# KiCad board pcb.kicad_pcb
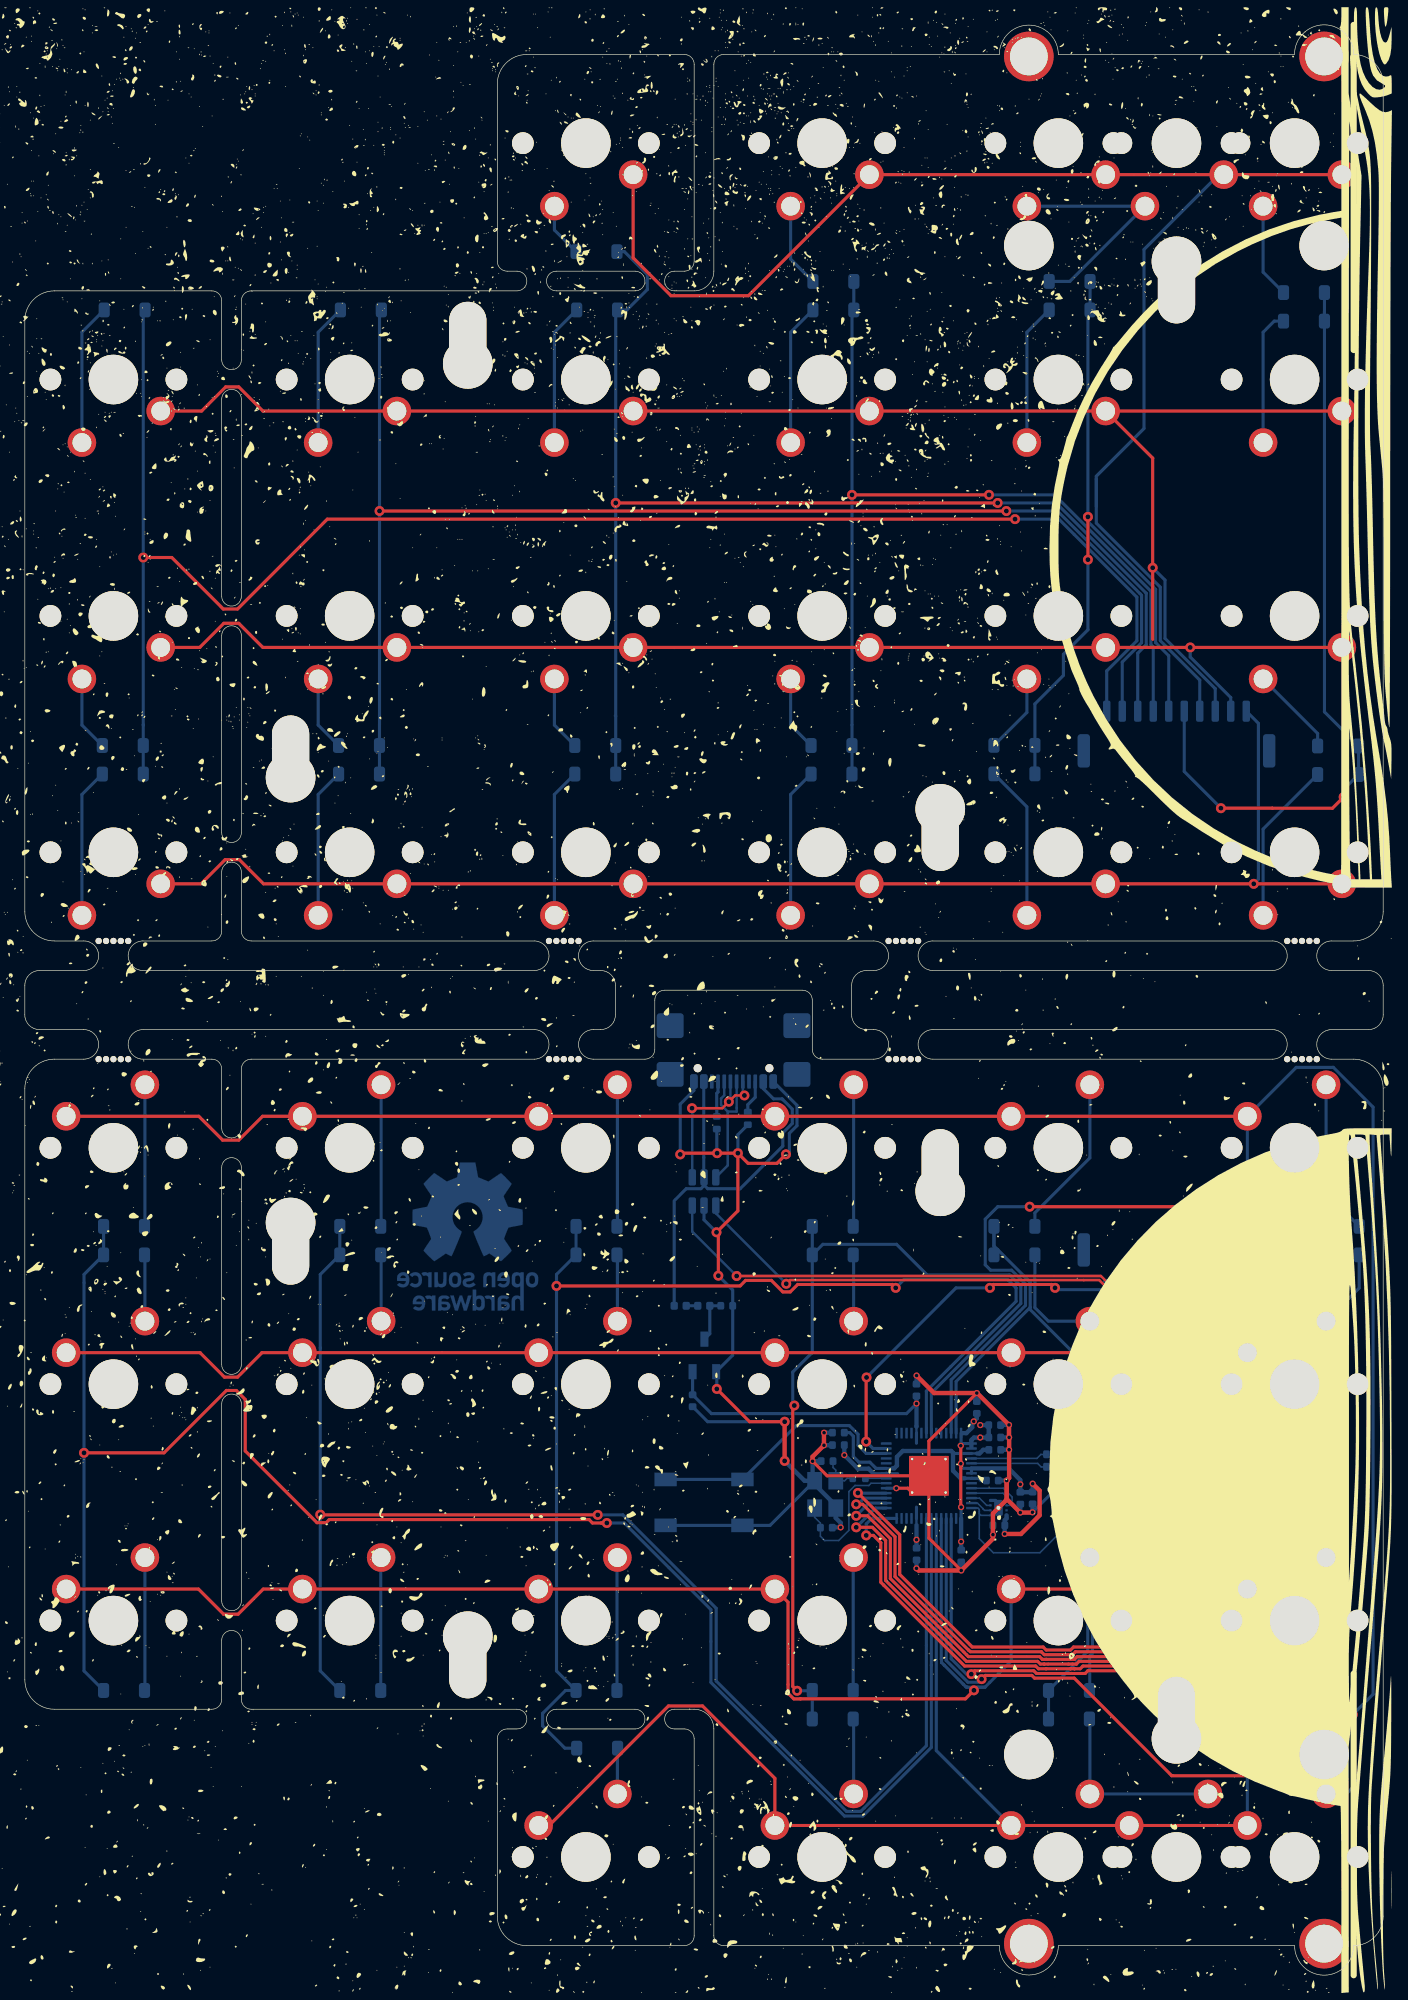
[diagram p0: board, top side]
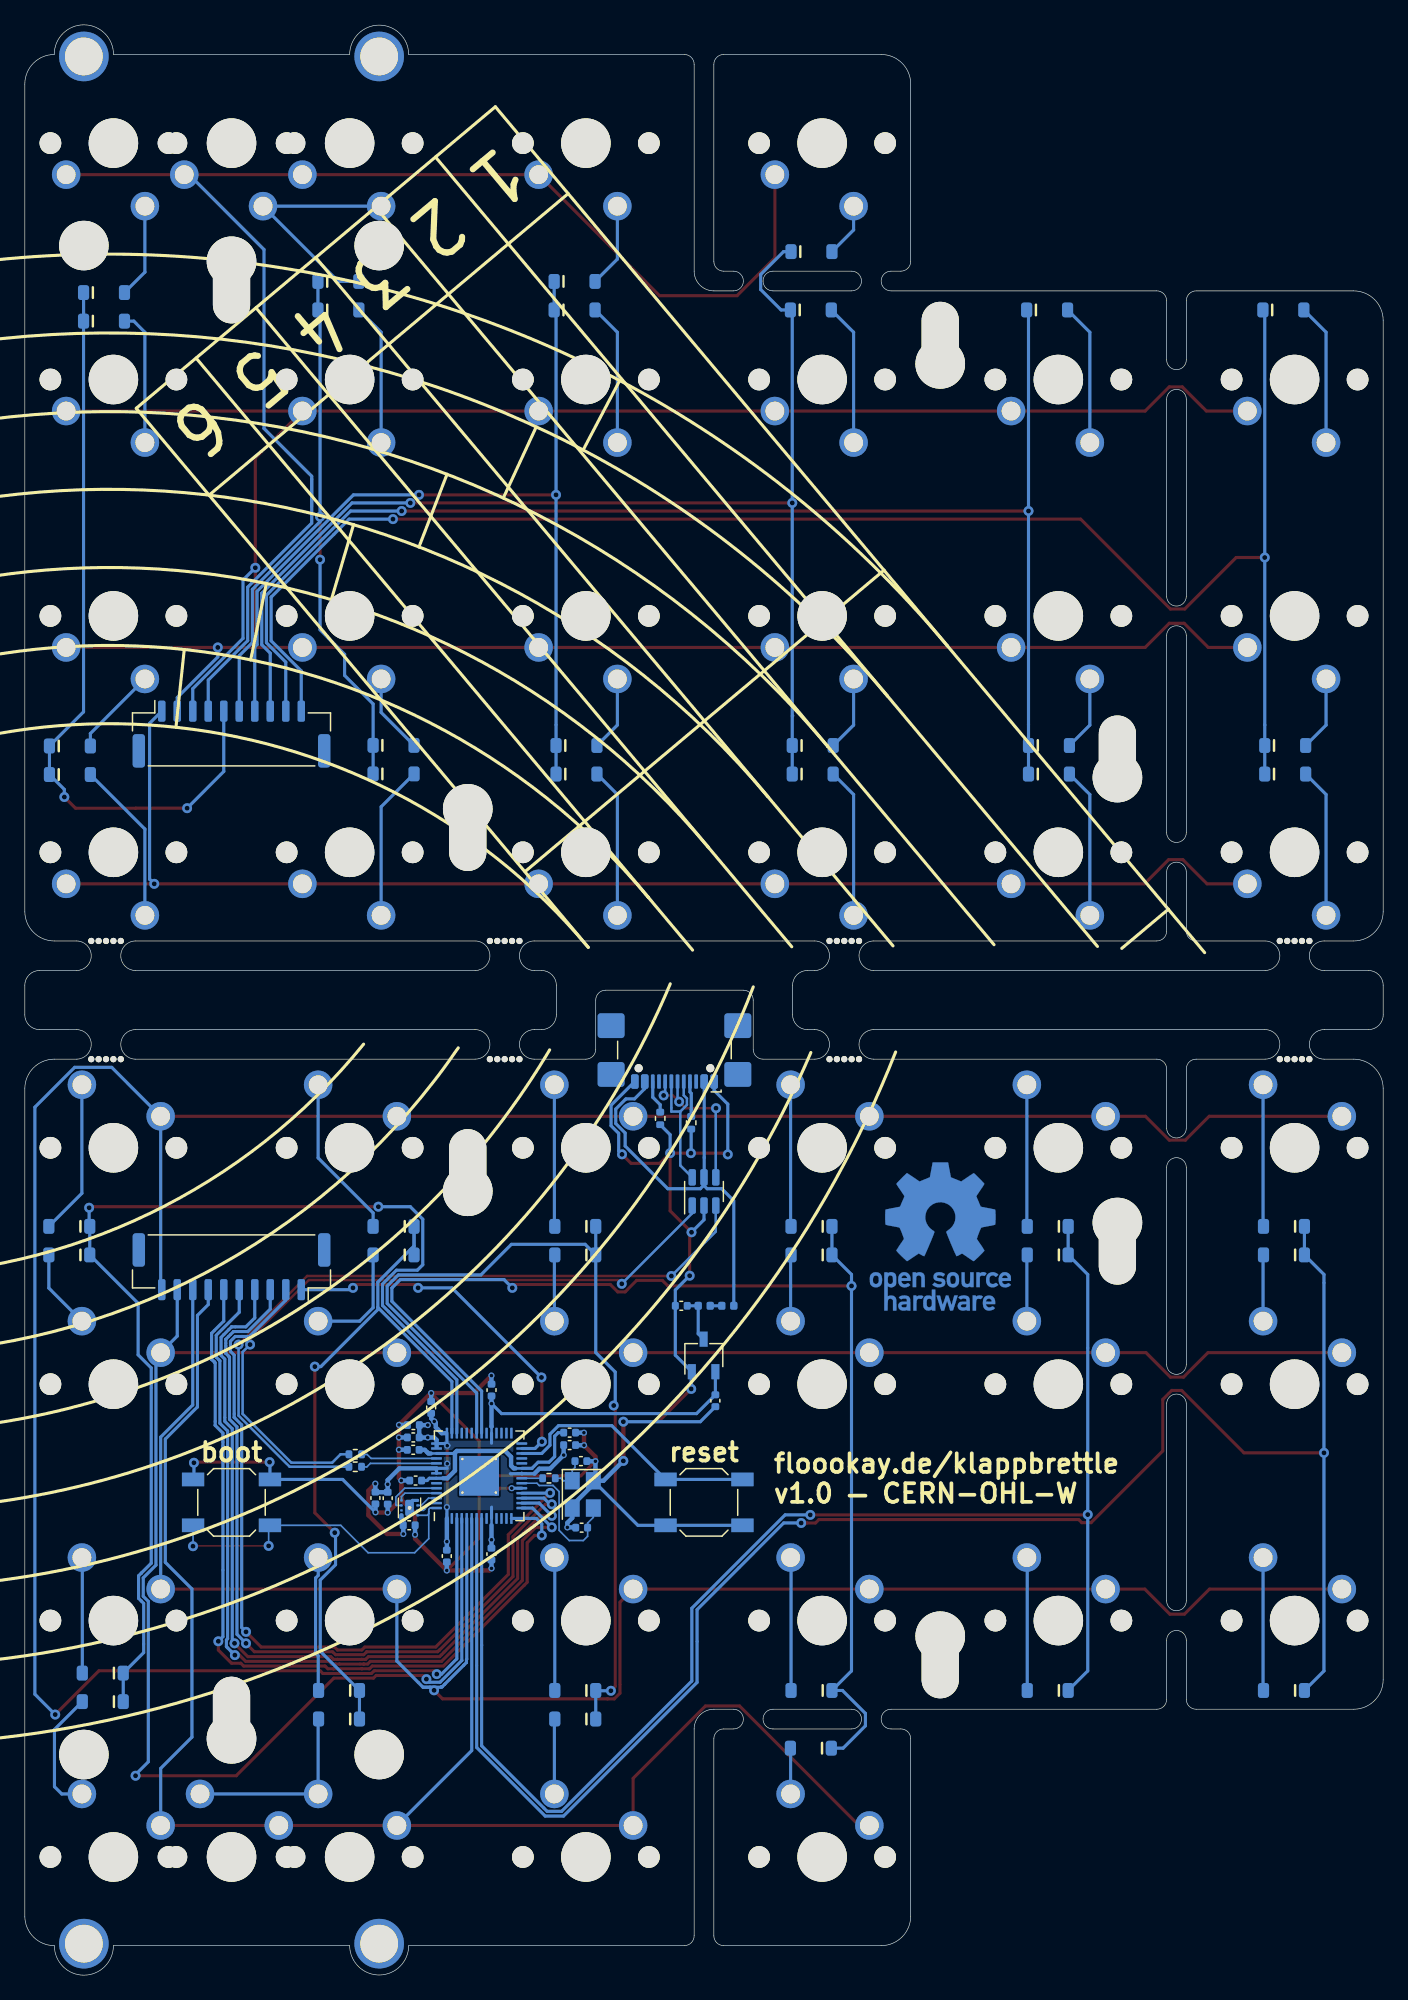
[diagram p1: board, bottom side, seen from below]

Outline 109.54 x 157.17 mm; copper layers: Top, In1.Cu, In2.Cu, Bottom. Coordinates in mm from the lower left corner of the outline.
Outline path: 4.76,83.34 2.38,83.34 arc(0.7,84.04) 0,85.73 0,133.35 arc(0.7,135.03) 2.38,135.73 15.08,135.73 arc(15.64,135.5) 15.88,134.94 15.88,130.18 arc(16.67,129.38) 17.46,130.18 17.46,134.94 arc(17.7,135.5) 18.26,135.73 39.69,135.73 arc(40.48,136.53) 39.69,137.32 38.9,137.32 arc(38.33,137.55) 38.1,138.11 38.1,152.4 arc(38.8,154.08) 40.48,154.78 53.18,154.78 arc(53.74,154.55) 53.98,153.99 53.98,138.11 arc(53.74,137.55) 53.18,137.32 52.39,137.32 arc(51.6,136.53) 52.39,135.73 53.98,135.73 arc(55.1,136.2) 55.56,137.32 55.56,153.99 arc(55.8,154.55) 56.36,154.78 78.58,154.78 arc(80.96,157.16) 83.35,154.78 102.4,154.78 ; 4.76,73.82 2.38,73.82 arc(0.7,73.12) 0,71.44 0,23.81 arc(0.7,22.13) 2.38,21.43 15.08,21.43 arc(15.64,21.66) 15.88,22.23 15.88,26.99 arc(16.67,27.78) 17.46,26.99 17.46,22.23 arc(17.7,21.66) 18.26,21.43 39.69,21.43 arc(40.48,20.64) 39.69,19.84 38.9,19.84 arc(38.33,19.61) 38.1,19.05 38.1,4.76 arc(38.8,3.08) 40.48,2.38 53.18,2.38 arc(53.74,2.61) 53.98,3.18 53.98,19.05 arc(53.74,19.61) 53.18,19.84 52.39,19.84 arc(51.6,20.64) 52.39,21.43 53.98,21.43 arc(55.1,20.97) 55.56,19.84 55.56,3.18 arc(55.8,2.61) 56.36,2.38 78.58,2.38 arc(80.96,0) 83.35,2.38 102.4,2.38 arc(104.78,0) 107.16,2.38 arc(108.84,3.08) 109.54,4.76 109.54,71.44 arc(108.84,73.12) 107.16,73.82 105.37,73.82 ; 4.77,76.2 1.19,76.2 arc(0.35,76.55) 0,77.39 0,79.77 arc(0.35,80.61) 1.19,80.96 4.77,80.96 ; 9.53,83.34 15.08,83.34 arc(15.64,83.58) 15.88,84.14 15.88,88.9 arc(16.67,89.69) 17.46,88.9 17.46,84.14 arc(17.7,83.58) 18.26,83.34 41.08,83.34 ; 9.53,73.82 15.08,73.82 arc(15.64,73.59) 15.88,73.03 15.88,68.26 arc(16.67,67.47) 17.46,68.26 17.46,73.03 arc(17.7,73.59) 18.26,73.82 41.08,73.82 ; 41.08,80.96 9.53,80.96 ; 41.08,76.2 9.53,76.2 ; 45.84,80.96 46.44,80.96 arc(47.28,80.61) 47.63,79.77 47.63,77.39 arc(47.28,76.55) 46.44,76.2 45.84,76.2 ; 45.84,83.34 48.42,83.34 68.46,83.34 ; 45.84,73.82 50.01,73.82 arc(50.57,74.05) 50.8,74.61 50.8,78.58 arc(51.03,79.14) 51.6,79.38 62.71,79.38 arc(63.27,79.14) 63.5,78.58 63.5,74.61 arc(63.73,74.05) 64.3,73.82 68.46,73.82 ; 68.46,80.96 67.87,80.96 arc(67.03,80.61) 66.68,79.77 66.68,77.39 arc(67.03,76.55) 67.87,76.2 68.46,76.2 ; 100.61,76.2 73.23,76.2 ; 100.61,83.34 73.23,83.34 ; 100.61,80.96 73.23,80.96 ; 100.61,73.82 73.23,73.82 ; 102.39,154.78 arc(104.78,157.17) 107.17,154.78 arc(108.85,154.08) 109.54,152.4 109.54,85.73 arc(108.84,84.04) 107.16,83.34 105.38,83.34 ; 105.37,80.96 108.35,80.96 ; 108.35,80.96 arc(109.19,80.61) 109.54,79.77 ; 105.37,76.2 108.35,76.2 arc(109.19,76.55) 109.54,77.39 109.54,79.76 ; 15.88,127 15.88,111.13 arc(16.67,110.33) 17.46,111.13 17.46,127 arc(16.67,127.79) 15.88,127 ; 15.88,107.95 arc(16.67,108.74) 17.46,107.95 17.46,92.08 arc(16.67,91.28) 15.88,92.08 15.88,107.95 ; 15.88,65.09 15.88,49.21 arc(16.67,48.42) 17.46,49.21 17.46,65.09 arc(16.67,65.88) 15.88,65.09 ; 15.88,46.04 arc(16.67,46.83) 17.46,46.04 17.46,30.16 arc(16.67,29.37) 15.88,30.16 15.88,46.04 ; 42.86,135.73 arc(42.07,136.53) 42.86,137.32 49.21,137.32 arc(50.01,136.53) 49.21,135.73 42.86,135.73 ; 42.86,21.43 49.21,21.43 arc(50.01,20.64) 49.21,19.84 42.86,19.84 arc(42.07,20.64) 42.86,21.43
Stack: Top 0.035mm / dielectric 0.48mm FR4 er 4.5 / In1.Cu 0.035mm / dielectric 0.48mm FR4 er 4.5 / In2.Cu 0.035mm / dielectric 0.48mm FR4 er 4.5 / Bottom 0.035mm

## Placement (name value [footprint] x y rotation side)
C1  30p  [C_0402_1005Metric]  64.64 36.06 0 bottom
C2  30p  [C_0402_1005Metric]  64.69 41.42 180 bottom
C3  1u  [C_0402_1005Metric]  81.27 38.45 270 bottom
C4  100n  [C_0402_1005Metric]  80.28 38.44 270 bottom
C5  100n  [C_0402_1005Metric]  78.21 44.33 0 bottom
C6  100n  [C_0402_1005Metric]  78.21 43.33 0 bottom
C7  100n  [C_0402_1005Metric]  76.77 45.75 90 bottom
C8  100n  [C_0402_1005Metric]  71.91 47.15 90 bottom
C9  100n  [C_0402_1005Metric]  71.91 33.94 270 bottom
C10  1u  [C_0402_1005Metric]  78.54 36.26 180 bottom
C11  100n  [C_0402_1005Metric]  65.6 42.72 180 bottom
C12  1u  [C_0402_1005Metric]  78.22 42.34 0 bottom
C13  1u  [C_0402_1005Metric]  56.6 53.94 0 bottom
C14  100n  [C_0402_1005Metric]  78.02 39.86 0 bottom
C15  1u  [C_0402_1005Metric]  53.85 46.29 270 bottom
C16  100n  [C_0402_1005Metric]  65.6 43.72 180 bottom
C17  100n  [C_0402_1005Metric]  75.51 33.77 270 bottom
D1  D_45deg  [D_SOD-123-minimal]  8 60.34 0 bottom
D2  D_45deg  [D_SOD-123-minimal]  27.05 60.34 0 bottom
D3  D_45deg  [D_SOD-123-minimal]  46.1 60.34 0 bottom
D4  D_45deg  [D_SOD-123-minimal]  65.15 60.34 0 bottom
D5  D_45deg  [D_SOD-123-minimal]  79.8 60.34 0 bottom
D6  D_45deg  [D_SOD-123-minimal]  105.95 60.34 0 bottom
D7  D_45deg  [D_SOD-123-minimal]  8 58.04 0 bottom
D8  D_45deg  [D_SOD-123-minimal]  27.05 58.04 0 bottom
D9  D_45deg  [D_SOD-123-minimal]  46.1 58.04 0 bottom
D10  D_45deg  [D_SOD-123-minimal]  65.15 58.04 0 bottom
D11  D_45deg  [D_SOD-123-minimal]  79.8 58.04 0 bottom
D12  D_45deg  [D_SOD-123-minimal]  105.95 58.04 0 bottom
D13  D_45deg  [D_SOD-123-minimal]  8 22.94 0 bottom
D14  D_45deg  [D_SOD-123-minimal]  27.05 22.94 0 bottom
D15  D_45deg  [D_SOD-123-minimal]  46.1 22.94 0 bottom
D16  D_45deg  [D_SOD-123-minimal]  65.15 22.94 0 bottom
D17  D_45deg  [D_SOD-123-minimal]  84.2 22.94 0 bottom
D18  D_45deg  [D_SOD-123-minimal]  103.25 24.34 0 bottom
D19  D_45deg  [D_SOD-123-minimal]  46.15 18.29 0 bottom
D20  D_45deg  [D_SOD-123-minimal]  65.15 20.64 0 bottom
D21  D_45deg  [D_SOD-123-minimal]  84.2 20.64 0 bottom
D22  D_45deg  [D_SOD-123-minimal]  103.25 22.04 0 bottom
D23  D_45deg  [D_SOD-123-minimal]  105.9 96.76 180 bottom
D24  D_45deg  [D_SOD-123-minimal]  79.8 96.81 180 bottom
D25  D_45deg  [D_SOD-123-minimal]  65.05 96.79 180 bottom
D26  D_45deg  [D_SOD-123-minimal]  46 96.79 180 bottom
D27  D_45deg  [D_SOD-123-minimal]  26.95 96.79 180 bottom
D28  D_45deg  [D_SOD-123-minimal]  7.9 96.79 180 bottom
D29  D_45deg  [D_SOD-123-minimal]  105.9 99.06 180 bottom
D30  D_45deg  [D_SOD-123-minimal]  79.8 99.11 180 bottom
D31  D_45deg  [D_SOD-123-minimal]  65.05 99.09 180 bottom
D32  D_45deg  [D_SOD-123-minimal]  46 99.09 180 bottom
D33  D_45deg  [D_SOD-123-minimal]  26.95 99.09 180 bottom
D34  D_45deg  [D_SOD-123-minimal]  7.9 99.09 180 bottom
D35  D_45deg  [D_SOD-123-minimal]  103.15 133.29 180 bottom
D36  D_45deg  [D_SOD-123-minimal]  84.25 134.19 180 bottom
D37  D_45deg  [D_SOD-123-minimal]  65.2 134.19 180 bottom
D38  D_45deg  [D_SOD-123-minimal]  46.15 134.19 180 bottom
D39  D_45deg  [D_SOD-123-minimal]  27.1 134.19 180 bottom
D40  D_45deg  [D_SOD-123-minimal]  8.05 134.19 180 bottom
D41  D_45deg  [D_SOD-123-minimal]  103.15 135.59 180 bottom
D42  D_45deg  [D_SOD-123-minimal]  84.25 136.49 180 bottom
D43  D_45deg  [D_SOD-123-minimal]  65.2 136.49 180 bottom
D44  D_45deg  [D_SOD-123-minimal]  46.1 138.89 180 bottom
F1  700mA  [Fuse_0402_1005Metric]  52.85 53.94 180 bottom
FB1  100 Ohm @ 100 MHz  [L_0402_1005Metric]  54.75 53.94 0 bottom
G***  LOGO  [tartan]  45.25 78.58 0 top
H1  MountingHole  [spacer_hole_4mm]  21.43 57.15 0 top
H2  MountingHole  [spacer_hole_4mm]  35.72 23.81 0 top
H3  MountingHole  [spacer_hole_4mm]  92.87 22.55 180 top
H4  MountingHole  [spacer_hole_4mm]  73.82 66.68 180 top
H5  MountingHole  [spacer_hole_4mm]  21.43 100.01 180 top
H6  MountingHole  [spacer_hole_4mm]  35.72 133.35 180 top
H7  MountingHole  [spacer_hole_4mm]  92.87 134.61 0 top
H8  MountingHole  [spacer_hole_4mm]  73.82 90.49 0 top
J1  USB4110-GF-A  [USB_C_Receptacle_GCT_USB4110]  57.15 75.69 0 bottom
J2  Conn_01x10  [JST_GH_SM10B-GHS-TB_1x10-1MP_P1.25mm_Horizontal]  92.87 57.09 0 bottom
J3  Conn_01x10  [JST_GH_SM10B-GHS-TB_1x10-1MP_P1.25mm_Horizontal]  92.87 100.01 180 bottom
MX1  MX_SW_solder  [SW_MX_1u]  7.15 66.68 0 top
MX2  MX_SW_solder  [SW_MX_1u]  26.2 66.68 0 top
MX3  MX_SW_solder  [SW_MX_1u]  45.25 66.68 0 top
MX4  MX_SW_solder  [SW_MX_1u]  64.3 66.68 0 top
MX5  MX_SW_solder  [SW_MX_1u]  83.35 66.68 0 top
MX6  MX_SW_solder  [SW_MX_1u]  102.4 66.68 0 top
MX7  MX_SW_solder  [SW_MX_1u]  7.15 47.63 0 top
MX8  MX_SW_solder  [SW_MX_1u]  26.2 47.63 0 top
MX9  MX_SW_solder  [SW_MX_1u]  45.25 47.63 0 top
MX10  MX_SW_solder  [SW_MX_1u]  64.3 47.63 0 top
MX11  MX_SW_solder  [SW_MX_1u]  83.35 47.63 0 top
MX12  MX_SW_solder  [SW_MX_1u]  102.4 47.63 0 top
MX13  MX_SW_solder  [SW_MX_1u]  7.15 28.58 0 top
MX14  MX_SW_solder  [SW_MX_1u]  26.2 28.58 0 top
MX15  MX_SW_solder  [SW_MX_1u]  45.25 28.58 0 top
MX16  MX_SW_solder  [SW_MX_1u]  64.3 28.58 0 top
MX17  MX_SW_solder  [SW_MX_1u]  83.35 28.58 0 top
MX18  MX_SW_solder  [SW_MX_1u]  102.4 28.58 0 top
MX19  MX_SW_solder  [SW_MX_1u]  45.25 9.53 0 top
MX20  MX_SW_solder  [SW_MX_1u]  64.3 9.53 0 top
MX21  MX_SW_solder  [SW_MX_1u]  83.35 9.53 0 top
MX22  MX_SW_solder  [SW_MX_1u]  102.4 9.53 0 top
MX23  MX_SW_solder  [SW_MX_1u]  102.4 90.49 180 top
MX24  MX_SW_solder  [SW_MX_1u]  83.35 90.49 180 top
MX25  MX_SW_solder  [SW_MX_1u]  64.3 90.49 180 top
MX26  MX_SW_solder  [SW_MX_1u]  45.25 90.49 180 top
MX27  MX_SW_solder  [SW_MX_1u]  26.2 90.49 180 top
MX28  MX_SW_solder  [SW_MX_1u]  7.15 90.49 180 top
MX29  MX_SW_solder  [SW_MX_1u]  102.4 109.54 180 top
MX30  MX_SW_solder  [SW_MX_1u]  83.35 109.54 180 top
MX31  MX_SW_solder  [SW_MX_1u]  64.3 109.54 180 top
MX32  MX_SW_solder  [SW_MX_1u]  45.25 109.54 180 top
MX33  MX_SW_solder  [SW_MX_1u]  26.2 109.54 180 top
MX34  MX_SW_solder  [SW_MX_1u]  7.15 109.54 180 top
MX35  MX_SW_solder  [SW_MX_1u]  102.4 128.59 180 top
MX36  MX_SW_solder  [SW_MX_1u]  83.35 128.59 180 top
MX37  MX_SW_solder  [SW_MX_1u]  64.3 128.59 180 top
MX38  MX_SW_solder  [SW_MX_1u]  45.25 128.59 180 top
MX39  MX_SW_solder  [SW_MX_1u]  26.2 128.59 180 top
MX40  MX_SW_solder  [SW_MX_1u]  7.15 128.59 180 top
MX41  MX_SW_solder  [SW_MX_1u]  102.4 147.64 180 top
MX42  MX_SW_solder  [SW_MX_1u]  83.35 147.64 180 top
MX43  MX_SW_solder  [SW_MX_1u]  64.3 147.64 180 top
MX44  MX_SW_solder  [SW_MX_1u]  45.25 147.64 180 top
MX45  MX_SW_solder  [SW_MX_1u]  92.87 9.53 0 top
MX46  MX_SW_solder  [SW_MX_1u]  92.87 147.64 180 top
R1  22  [R_0402_1005Metric]  82.89 40.97 180 bottom
R2  22  [R_0402_1005Metric]  82.89 41.98 0 bottom
R3  1k  [R_0402_1005Metric]  67.27 40.05 0 bottom
R4  5.1k  [R_0402_1005Metric]  55.8 68.69 90 bottom
R5  5.1k  [R_0402_1005Metric]  58.3 69.04 90 bottom
REF**  -  [mousebites]  102.99 75.01 0 top
REF**#2  -  [mousebites]  102.99 82.15 180 top
REF**#3  -  [mousebites]  43.46 82.15 180 top
REF**#4  -  [mousebites]  70.84 75.01 0 top
REF**#5  -  [mousebites]  7.15 82.15 180 top
REF**#6  -  [mousebites]  7.15 75.01 0 top
REF**#7  -  [mousebites]  70.84 82.15 180 top
REF**#8  -  [mousebites]  43.46 75.01 0 top
REF**#9  -  [OSHW-Logo_11.4x12mm_Copper]  35.72 59.53 180 bottom
S1  MX_stab  [STAB_MX_P_2u]  92.87 9.53 180 top
S2  MX_stab  [STAB_MX_P_2u]  92.87 147.64 0 top
SW72  SW_Push  [SW_SPST_SKQG_WithoutStem]  92.87 38.1 180 bottom
SW73  SW_Push  [SW_SPST_SKQG_WithoutStem]  54.77 38.1 0 bottom
U1  RP2040  [QFN-56-1EP_7x7mm_P0.4mm_EP3.2x3.2mm_ThermalVias]  72.9 40.24 90 bottom
U3  USBLC6-2SC6  [SOT-23-6]  54.77 63.16 90 bottom
U4  3.3V Fixed Regulator  [TSOT-23]  54.8 49.94 90 bottom
U5  ZD25D40CNJGR  [USON-8_1.5x1.5mm_P0.45mm]  78.52 37.66 0 bottom
Y1  12MHz Crystal 3225  [Crystal_SMD_3225-4Pin_3.2x2.5mm]  64.54 38.74 270 bottom

## Library data of the parts
C1 C2 = -: LCSC: C1562; ki_fp_filters: C_*
C3 C10 C12 C13 C15 = -: LCSC: C52923; ki_fp_filters: C_*
C4-C9 C11 C14 C16 C17 = -: LCSC: C1525; ki_fp_filters: C_*
D1-D44 = -: Description: Diode, rotated by 45°; Sim.Device: D; Sim.Pins: 1=K 2=A; ki_fp_filters: D*Bridge* D*Rectifier*
F1 = -: LCSC: C914086; ki_fp_filters: *polyfuse* *PTC*
FB1 = -: LCSC: C85812; ki_fp_filters: Inductor_* L_* *Ferrite*
H1-H8 = -: Description: Mounting Hole without connection; ki_fp_filters: MountingHole*
J1 = -: Datasheet: https://www.usb.org/sites/default/files/documents/usb_type-c.zip; ki_fp_filters: USB*C*Receptacle*
J2 J3 = -: Description: Generic connector, single row, 01x10, script generated (kicad-library-utils/schlib/autogen/connector/); ki_fp_filters: Connector*:*_1x??_*
MX1-MX46 = -: Description: Push button switch, normally open, two pins, 45° tilted
R1 R2 = -: LCSC: C25152; ki_fp_filters: R_*
R3 = -: LCSC: C106235; ki_fp_filters: R_*
R4 R5 = -: LCSC: C25905; ki_fp_filters: R_*
S1 S2 = -: Description: Cherry MX-style stabilizer
SW72 SW73 = -: LCSC: C115351
U1 = -: Datasheet: https://datasheets.raspberrypi.com/rp2040/rp2040-datasheet.pdf; LCSC: C2040; ki_fp_filters: QFN*7x7mm?P0.4mm?EP3.2x3.2mm*
U3 = -: Datasheet: https://www.st.com/resource/en/datasheet/usblc6-2.pdf; LCSC: C558442; ki_fp_filters: SOT?23*
U4 = -: Datasheet: https://www.diodes.com/assets/Datasheets/AP2127.pdf; LCSC: C150715; ki_fp_filters: TSOT?23*
U5 = -: Datasheet: https://www.mouser.de/datasheet/2/671/M25PX32-1282938.pdf; LCSC: C3646778
Y1 = -: LCSC: C9002; ki_fp_filters: Crystal*
